# Altium PCB AX7103-2021-0629.PcbDoc (part 3 of 7)
Units mil, origin at the board's own origin, x right, y up, seen from the top; angles counter-clockwise.
Board outline 7406.51 x 4363.82 mil, 6 copper layers (TOP, SGND, IN1, IN2, SGND1, BOTTOM), stack 47.2 mil thick; 347 components, 454 nets, 1784 pads, 724 vias.
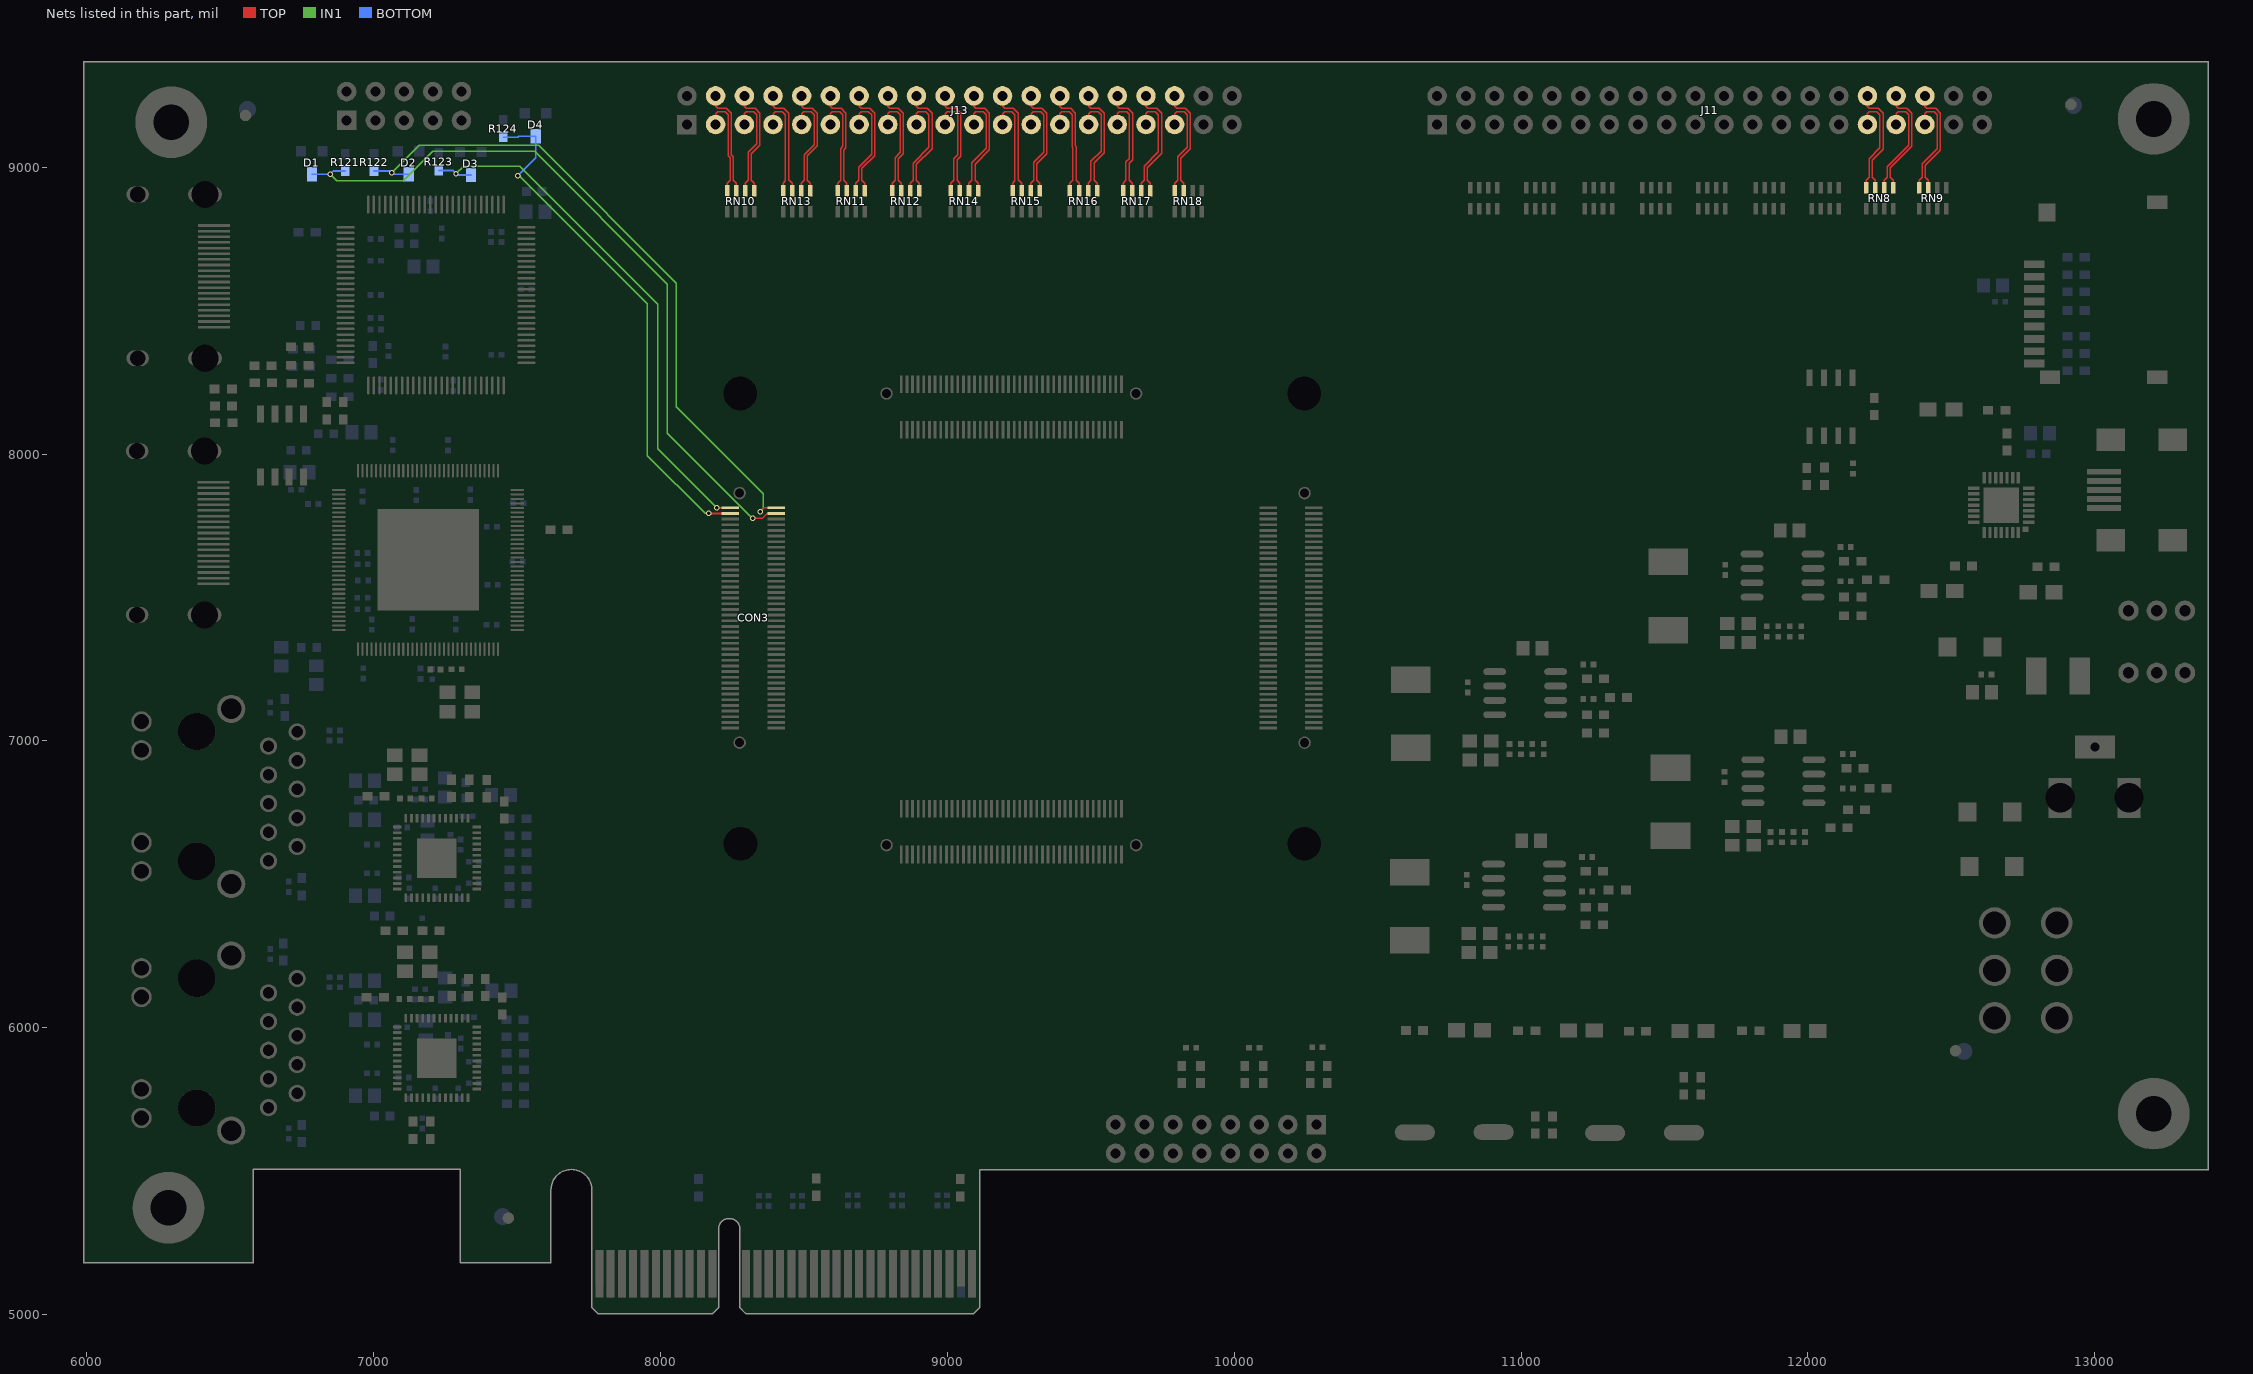
[diagram p7: the nets of this part, all layers, seen from the top]

## Via types
v1: diameter 19, hole 12, TOP to BOTTOM, 688 vias
v2: diameter 16, hole 8, TOP to BOTTOM, 36 vias

## Nets (pads, with @x,y where several pads share a name; then routed paths per layer and width w, separated by ;. In a path a pad name is that pad's centre, name@x,y a point inside that pad or via, vN(x,y) a via of type N, cw(c..) or ccw(c..) an arc to the next point about the centre after c; other vN are vias at no path point) (continued)
EX_IO1_15N: J11.32 RN8.7 | length 380.7
  TOP w5: J11.32@12207.7,9248.82 12207.7,9211.85 12214.7,9204.85 12245.04,9204.85 12262.04,9187.85 12262.04,9062.85 12224.05,9024.86 12224.05,8964.4 12234.3,8954.15 RN8.7@12234.3,8928.43
EX_IO1_15P: J11.31 RN8.8 | length 363.5
  TOP w5: RN8.8@12202.8,8928.43 12202.8,8954.15 12213.05,8964.4 12213.05,9029.42 12251.04,9067.41 12251.04,9183.29 12240.48,9193.85 12214.7,9193.85 12207.7,9186.85 J11.31@12207.7,9148.82
EX_IO1_16N: J11.34 RN8.5 | length 396
  TOP w5: RN8.5@12297.29,8928.43 12297.29,8954.15 12287.04,8964.4 12287.04,8997.85 12362.04,9072.85 12362.04,9187.85 12345.04,9204.85 12314.7,9204.85 12307.7,9211.85 J11.34@12307.7,9248.82
EX_IO1_16P: J11.33 RN8.6 | length 378.8
  TOP w5: RN8.6@12265.79,8928.43 12265.79,8954.15 12276.04,8964.4 12276.04,9002.41 12351.04,9077.41 12351.04,9183.29 12340.48,9193.85 12314.7,9193.85 12307.7,9186.85 J11.33@12307.7,9148.82
EX_IO1_17N: J11.36 RN9.7 | length 386.9
  TOP w5: J11.36@12407.7,9248.82 12407.7,9211.85 12414.7,9204.85 12445.04,9204.85 12462.04,9187.85 12462.04,9059.85 12409.05,9006.86 12409.05,8964.4 12419.3,8954.15 RN9.7@12419.3,8928.43
EX_IO1_17P: J11.35 RN9.8 | length 369.7
  TOP w5: RN9.8@12387.8,8928.43 12387.8,8954.15 12398.05,8964.4 12398.05,9011.42 12451.04,9064.41 12451.04,9183.29 12440.48,9193.85 12414.7,9193.85 12407.7,9186.85 J11.35@12407.7,9148.82
EX_IO2_1N: J13.3 RN10.8 | length 360.7
  TOP w5: J13.3@8192.7,9148.82 8192.7,9186.85 8199.7,9193.85 8225.48,9193.85 8236.04,9183.29 8236.04,9039.29 8243.05,9032.28 8243.05,8954.39 8232.8,8944.14 RN10.8@8232.8,8918.42
EX_IO2_1P: J13.4 RN10.7 | length 377.8
  TOP w5: J13.4@8192.7,9248.82 8192.7,9211.85 8199.7,9204.85 8230.04,9204.85 8247.04,9187.85 8247.04,9043.85 8254.05,9036.84 8254.05,8954.39 8264.3,8944.14 RN10.7@8264.3,8918.42
EX_IO2_2N: J13.6 RN10.5 | length 387.4
  TOP w5: J13.6@8292.7,9248.82 8292.7,9211.85 8299.7,9204.85 8330.04,9204.85 8347.04,9187.85 8347.04,9076.85 8317.04,9046.85 8317.04,8954.39 8327.29,8944.14 RN10.5@8327.29,8918.42
EX_IO2_2P: J13.5 RN10.6 | length 370.2
  TOP w5: J13.5@8292.7,9148.82 8292.7,9186.85 8299.7,9193.85 8325.48,9193.85 8336.04,9183.29 8336.04,9081.41 8306.04,9051.41 8306.04,8954.39 8295.79,8944.14 RN10.6@8295.79,8918.42
EX_IO2_3N: J13.8 RN13.7 | length 375.7
  TOP w5: J13.8@8392.7,9248.82 8392.7,9211.85 8399.7,9204.85 8430.04,9204.85 8447.04,9187.85 8447.04,8956.41 8459.3,8944.15 RN13.7@8459.3,8918.43
EX_IO2_3P: J13.7 RN13.8 | length 356.9
  TOP w5: J13.7@8392.7,9148.82 8392.7,9186.85 8399.7,9193.85 8425.48,9193.85 8436.04,9183.29 8436.04,8952.39 8427.8,8944.15 RN13.8@8427.8,8918.43
EX_IO2_4N: J13.10 RN13.5 | length 389.4
  TOP w5: J13.10@8492.7,9248.82 8492.7,9211.85 8499.7,9204.85 8530.04,9204.85 8547.04,9187.85 8547.04,9074.29 8512.04,9039.29 8512.04,8954.4 8522.29,8944.15 RN13.5@8522.29,8918.43
EX_IO2_4P: J13.9 RN13.6 | length 372.2
  TOP w5: RN13.6@8490.79,8918.43 8490.79,8944.15 8501.04,8954.4 8501.04,9043.85 8536.04,9078.85 8536.04,9183.29 8525.48,9193.85 8499.7,9193.85 8492.7,9186.85 J13.9@8492.7,9148.82
EX_IO2_5N: J13.11 RN11.8 | length 361.1
  TOP w5: J13.11@8592.7,9148.82 8592.7,9186.85 8599.7,9193.85 8625.48,9193.85 8636.04,9183.29 8636.04,9072.4 8628.05,9064.41 8628.05,8954.39 8617.8,8944.14 RN11.8@8617.8,8918.42
EX_IO2_5P: J13.12 RN11.7 | length 378.2
  TOP w5: J13.12@8592.7,9248.82 8592.7,9211.85 8599.7,9204.85 8630.04,9204.85 8647.04,9187.85 8647.04,9067.84 8639.05,9059.85 8639.05,8954.39 8649.3,8944.14 RN11.7@8649.3,8918.42
EX_IO2_6N: J13.13 RN11.6 | length 376.4
  TOP w5: RN11.6@8680.79,8918.42 8680.79,8944.14 8691.04,8954.39 8691.04,9000.41 8736.04,9045.41 8736.04,9183.29 8725.48,9193.85 8699.7,9193.85 8692.7,9186.85 J13.13@8692.7,9148.82
EX_IO2_6P: J13.14 RN11.5 | length 393.6
  TOP w5: J13.14@8692.7,9248.82 8692.7,9211.85 8699.7,9204.85 8730.04,9204.85 8747.04,9187.85 8747.04,9040.85 8702.04,8995.85 8702.04,8954.39 8712.29,8944.14 RN11.5@8712.29,8918.42
EX_IO2_7N: J13.16 RN12.7 | length 382.4
  TOP w5: J13.16@8792.7,9248.82 8792.7,9211.85 8799.7,9204.85 8830.04,9204.85 8847.04,9187.85 8847.04,9046.85 8829.05,9028.86 8829.05,8954.4 8839.3,8944.15 RN12.7@8839.3,8918.43
EX_IO2_7P: J13.15 RN12.8 | length 365.2
  TOP w5: J13.15@8792.7,9148.82 8792.7,9186.85 8799.7,9193.85 8825.48,9193.85 8836.04,9183.29 8836.04,9051.41 8818.05,9033.42 8818.05,8954.4 8807.8,8944.15 RN12.8@8807.8,8918.43
EX_IO2_8N: J13.17 RN12.6 | length 380.5
  TOP w5: RN12.6@8870.79,8918.43 8870.79,8944.15 8881.04,8954.4 8881.04,9014.41 8936.04,9069.41 8936.04,9183.29 8925.48,9193.85 8899.7,9193.85 8892.7,9186.85 J13.17@8892.7,9148.82
EX_IO2_8P: J13.18 RN12.5 | length 397.7
  TOP w5: J13.18@8892.7,9248.82 8892.7,9211.85 8899.7,9204.85 8930.04,9204.85 8947.04,9187.85 8947.04,9064.85 8892.04,9009.85 8892.04,8954.4 8902.29,8944.15 RN12.5@8902.29,8918.43
EX_IO2_9N: J13.19 RN14.8 | length 363.1
  TOP w5: J13.19@8992.7,9148.82 8992.7,9186.85 8999.7,9193.85 9025.48,9193.85 9036.04,9183.29 9036.04,9043.41 9023.05,9030.42 9023.05,8954.39 9012.8,8944.14 RN14.8@9012.8,8918.42
EX_IO2_9P: J13.20 RN14.7 | length 380.3
  TOP w5: J13.20@8992.7,9248.82 8992.7,9211.85 8999.7,9204.85 9030.04,9204.85 9047.04,9187.85 9047.04,9038.85 9034.05,9025.86 9034.05,8954.39 9044.3,8944.14 RN14.7@9044.3,8918.42
EX_IO2_10N: J13.22 RN14.5 | length 395.6
  TOP w5: J13.22@9092.7,9248.82 9092.7,9211.85 9099.7,9204.85 9130.04,9204.85 9147.04,9187.85 9147.04,9060.85 9097.04,9010.85 9097.04,8954.39 9107.29,8944.14 RN14.5@9107.29,8918.42
EX_IO2_10P: J13.21 RN14.6 | length 378.5
  TOP w5: RN14.6@9075.79,8918.42 9075.79,8944.14 9086.04,8954.39 9086.04,9015.41 9136.04,9065.41 9136.04,9183.29 9125.48,9193.85 9099.7,9193.85 9092.7,9186.85 J13.21@9092.7,9148.82
EX_IO2_11N: J13.24 RN15.7 | length 375.7
  TOP w5: J13.24@9192.7,9248.82 9192.7,9211.85 9199.7,9204.85 9230.04,9204.85 9247.04,9187.85 9247.04,8956.41 9259.3,8944.15 RN15.7@9259.3,8918.43
EX_IO2_11P: J13.23 RN15.8 | length 356.9
  TOP w5: J13.23@9192.7,9148.82 9192.7,9186.85 9199.7,9193.85 9225.48,9193.85 9236.04,9183.29 9236.04,8952.39 9227.8,8944.15 RN15.8@9227.8,8918.43
EX_IO2_12N: J13.25 RN15.6 | length 372.2
  TOP w5: RN15.6@9290.79,8918.43 9290.79,8944.15 9301.04,8954.4 9301.04,9017.41 9336.04,9052.41 9336.04,9183.29 9325.48,9193.85 9299.7,9193.85 9292.7,9186.85 J13.25@9292.7,9148.82
EX_IO2_12P: J13.26 RN15.5 | length 389.4
  TOP w5: J13.26@9292.7,9248.82 9292.7,9211.85 9299.7,9204.85 9330.04,9204.85 9347.04,9187.85 9347.04,9047.85 9312.04,9012.85 9312.04,8954.4 9322.29,8944.15 RN15.5@9322.29,8918.43
EX_IO2_13N: J13.27 RN16.8 | length 358.6
  TOP w5: J13.27@9392.7,9148.82 9392.7,9186.85 9399.7,9193.85 9425.48,9193.85 9436.04,9183.29 9436.04,9070.85 9438.05,9068.84 9438.05,8954.39 9427.8,8944.14 RN16.8@9427.8,8918.42
EX_IO2_13P: J13.28 RN16.7 | length 375.8
  TOP w5: J13.28@9392.7,9248.82 9392.7,9211.85 9399.7,9204.85 9430.04,9204.85 9447.04,9187.85 9447.04,9075.41 9449.05,9073.4 9449.05,8954.39 9459.3,8944.14 RN16.7@9459.3,8918.42
EX_IO2_14N: J13.29 RN16.6 | length 372.3
  TOP w5: RN16.6@9490.79,8918.42 9490.79,8944.14 9501.04,8954.39 9501.04,9020.41 9536.04,9055.41 9536.04,9183.29 9525.48,9193.85 9499.7,9193.85 9492.7,9186.85 J13.29@9492.7,9148.82
EX_IO2_14P: J13.30 RN16.5 | length 389.4
  TOP w5: J13.30@9492.7,9248.82 9492.7,9211.85 9499.7,9204.85 9530.04,9204.85 9547.04,9187.85 9547.04,9050.85 9512.04,9015.85 9512.04,8954.39 9522.29,8944.14 RN16.5@9522.29,8918.42
EX_IO2_15N: J13.31 RN17.8 | length 362.3
  TOP w5: J13.31@9592.7,9148.82 9592.7,9186.85 9599.7,9193.85 9625.48,9193.85 9635.04,9184.29 9635.04,9030.41 9623.05,9018.42 9623.05,8954.4 9612.8,8944.15 RN17.8@9612.8,8918.43
EX_IO2_15P: J13.32 RN17.7 | length 379.5
  TOP w5: J13.32@9592.7,9248.82 9592.7,9211.85 9599.7,9204.85 9630.04,9204.85 9646.04,9188.85 9646.04,9025.85 9634.05,9013.86 9634.05,8954.4 9644.3,8944.15 RN17.7@9644.3,8918.43
EX_IO2_16N: J13.33 RN17.6 | length 378.5
  TOP w5: RN17.6@9675.79,8918.43 9675.79,8944.15 9686.04,8954.4 9686.04,9003.41 9736.04,9053.41 9736.04,9183.29 9725.48,9193.85 9699.7,9193.85 9692.7,9186.85 J13.33@9692.7,9148.82
EX_IO2_16P: J13.34 RN17.5 | length 395.6
  TOP w5: J13.34@9692.7,9248.82 9692.7,9211.85 9699.7,9204.85 9730.04,9204.85 9747.04,9187.85 9747.04,9048.85 9697.04,8998.85 9697.04,8954.4 9707.29,8944.15 RN17.5@9707.29,8918.43
EX_IO2_17N: J13.36 RN18.7 | length 388.6
  TOP w5: J13.36@9792.7,9248.82 9792.7,9211.85 9799.7,9204.85 9830.04,9204.85 9847.04,9187.85 9847.04,9064.29 9814.05,9031.3 9814.05,8954.4 9824.3,8944.15 RN18.7@9824.3,8918.43
EX_IO2_17P: J13.35 RN18.8 | length 371.4
  TOP w5: J13.35@9792.7,9148.82 9792.7,9186.85 9799.7,9193.85 9825.48,9193.85 9836.04,9183.29 9836.04,9068.85 9803.05,9035.86 9803.05,8954.4 9792.8,8944.15 RN18.8@9792.8,8918.43
FPGA_TCK: CON3.77 D1.3 R121.2 | length 2567.2
  TOP w6: v1(8322.04,7776.85) 8356.04,7776.85 8372.35,7793.16 CON3.77@8403.12,7793.16
  IN1 w5: v1(6849.04,8975.89) 6872.08,8952.85 7104.04,8952.85 7206.04,9054.85 7562.04,9054.85 8024.04,8592.85 8024.04,8072.85 8320.04,7776.85 v1(8322.04,7776.85)
  BOTTOM w6: D1.3@6785.83,8975.89 v1(6849.04,8975.89) 6860,8986.85 R121.2@6901.9,8986.85
FPGA_TDI: CON3.78 D4.3 R124.2 | length 1817.2
  TOP w6: v1(8169.35,7793.16) CON3.78@8243.68,7793.16
  IN1 w5: v1(7503.04,8970.85) 7508.04,8970.85 7955.04,8523.85 7955.04,7993.85 8155.73,7793.16 v1(8169.35,7793.16)
  BOTTOM w6: R124.2@7451.9,9104.85 7503,9104.85 7506.04,9107.89 D4.3@7565.83,9107.89 7565.83,9033.64 v1(7503.04,8970.85)
FPGA_TDO: CON3.79 D2.3 R122.2 | length 2342.2
  TOP w6: v1(8348.04,7799.85) 8361.04,7812.85 CON3.79@8403.12,7812.85
  IN1 w5: v1(7064.04,8980.85) 7159.04,9075.85 7576.04,9075.85 8056.04,8595.85 8056.04,8164.85 8359.04,7861.85 8359.04,7810.85 v1(8348.04,7799.85)
  BOTTOM w6: R122.2@7001.9,8986.85 7058.04,8986.85 v1(7064.04,8980.85) 7069,8975.89 D2.3@7122.83,8975.89
FPGA_TMS: CON3.80 D3.3 R123.2 | length 1874.2
  TOP w6: v1(8196.04,7812.85) CON3.80@8243.68,7812.85
  IN1 w5: v1(7287.54,8977.35) 7314.04,9003.85 7509.04,9003.85 7990.04,8522.85 7990.04,8018.85 v1(8196.04,7812.85)
  BOTTOM w6: R123.2@7227.9,8988.85 7276.04,8988.85 v1(7287.54,8977.35) 7292,8972.89 D3.3@7339.83,8972.89